# Altium PCB LimeSDR_Mini_1v2_Rounded.PcbDoc (part 3 of 5) (continued)
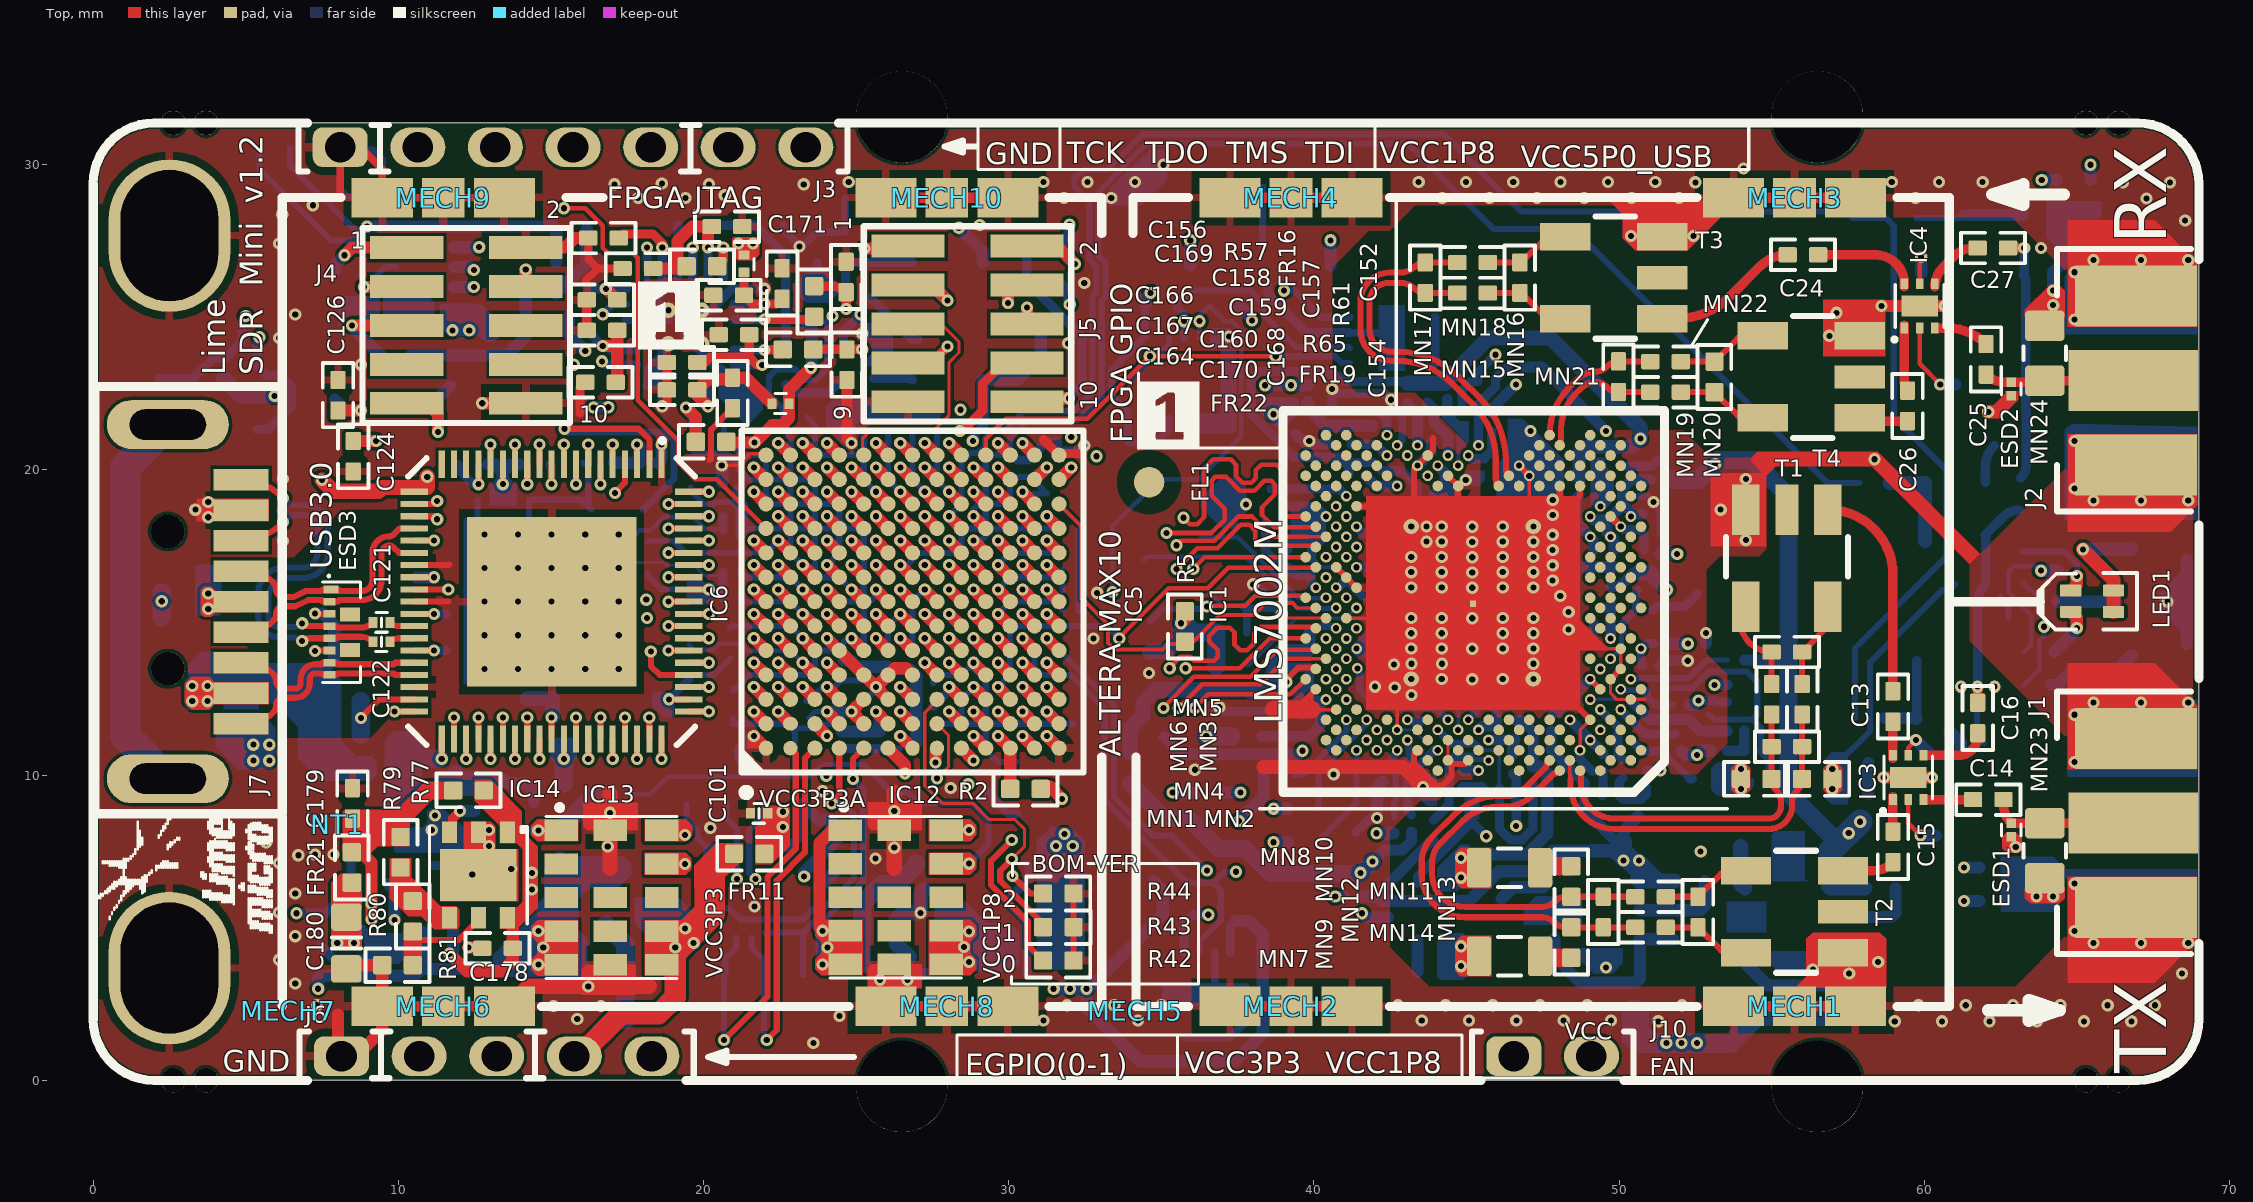
[diagram p0: Top view]
## Nets (pads, with @x,y where several pads share a name; then routed paths per layer and width w, separated by ;. In a path a pad name is that pad's centre, name@x,y a point inside that pad or via, vN(x,y) a via of type N, cw(c..) or ccw(c..) an arc to the next point about the centre after c; other vN are vias at no path point) (continued)
  Bottom w0.35: MECH11.1@9.475,2.425 MECH11.1@11.475,2.425 MECH11.1@13.225,2.425 ; MECH12.1@25.975,2.425 MECH12.1@27.975,2.425 MECH12.1@29.975,2.425 ; MECH14.1@25.975,28.925 MECH14.1@27.975,28.925 MECH14.1@29.975,28.925 ; v1(38.015,16.253) 38.282,15.985 C35.2@38.325,15.985 ; C45.2@39.399,21.173 39.731,20.841 40.501,20.841 ; v5(43.395,20.141) 43.845,20.59 C74.2@43.845,20.871 ; v1(44.191,14.151) 44.441,13.901 R11.2@44.971,14.431 ; v1@44.252,15.151 R11.2@44.971,14.431 ; C55.2@44.875,9.595 45.5,9.595 C42.2@45.52,9.575 ; 45.691,15.151 R11.2@44.971,14.431 ; 47.85,13.9 47.975,14.025 ; C48.2@51.331,13.578 51.503,13.75 v1(52.25,13.75)
  Bottom w0.4: 8.025,2.15 8.025,0.909 J6.1@8.139,0.795 8.62,0.795 9.475,1.65 MECH11.1@9.475,2.425 ; C183.1@12.5,9.825 13.5,9.825 C128.1@13.6,9.725 14.2,9.725 14.45,9.475 14.45,9.125 ; C165.1@15.175,25.775 16.175,26.775 R68.2@16.175,26.825 C161.1@16.175,27.875 ; C139.2@18.505,20.235 18.625,20.355 v1(18.625,20.835) ; v1(20.6,20.15) 20.615,20.135 20.615,19.585 ; C108.1@21.2,10.6 21.2,10.835 v1(21.65,11.285) ; 23.775,6.3 C174.2@24.475,7 ; v1(24.05,12.085) v1(24.85,12.085) v1@24.943,12.085 ; C98.2@24.6,13.755 24.826,13.755 25.026,13.555 26.025,13.555 C115.2@26.025,13.52 ; v1@25.65,12.792 v1(25.65,12.885) 26.243,13.478 26.75,13.478 26.97,13.258 26.97,11.075 ; 29.15,21.775 XO1.4@29.15,22.95 30.275,22.95 31.05,23.725 C87.1@31.05,24.573 ; v1(42.071,8.596) 42.071,9.611 C57.2@42.251,9.791 ; C7.2@43.4,3.55 C10.1@43.4,4.575 ; C70.1@43.925,12.78 44.191,13.046 v1(44.191,13.151) 44.486,12.856 C69.2@44.727,12.856 ; v1(44.191,15.151) v1@44.252,15.151 ; 45.691,15.151 v1(46.191,15.151) ; C44.2@46.555,12.4 46.555,12.93 ; 47.85,13.9 47.915,13.835 C79.1@47.915,12.6 ; 48.505,16.82 C77.1@49.15,16.82 C85.2@49.825,16.82 ; C81.2@52.85,14.325 v1(52.85,14.66) ; C3.2@58.165,9.4 C6.1@58.165,10.4 ; 60.825,11.45 61.2,11.075 C18.1@61.2,10.775 ; v1(67.975,15.685) 68.6,15.685 ; 68.6,14.3 68.6,15.685 ; 68.6,17.07 68.6,15.685
  Bottom w0.5: MECH12.1@25.975,2.425 25.975,3.275 C176.1@26.75,4.05 26.311,4.489 26.311,5.265 26.536,5.49 v1(27.111,5.49) 27.111,6.111 27.225,6.225
  Bottom w0.6: C182.1@16.8,5.105 17.439,4.466 C177.1@17.439,4.04 17.439,1.959
  other v1: 23.6,1.225 51.285,1.935 59.035,1.935 60.585,1.935 62.135,1.935 63.685,1.935 65.235,1.935 66.785,1.935 31.135,1.96 34.235,1.96 43.535,1.96 45.085,1.96 46.635,1.96 48.185,1.96 49.735,1.96 15.865,2.01 24.46,2.11 15.09,2.435 16.64,2.435 7.34,2.46 31.91,2.46 33.46,2.46 35.01,2.46 42.76,2.46 44.31,2.46 45.86,2.46 47.41,2.46 48.96,2.46 52.06,2.46 59.81,2.46 61.36,2.46 62.91,2.46 64.46,2.46 66.01,2.46 67.56,2.46 6.625,3.175 25.786,3.29 26.686,3.29 57.54,3.505 68.45,3.5 56.35,3.625 49.575,3.7 58.49,3.88 6.1,3.95 65.55,4.5 67.1,4.5 68.65,4.5 6.625,4.725 64.925,4.895 6.1,5.5 21.675,5.7 6.625,6.125 64.925,6.445 12.425,6.75 13.7,6.925 6.1,7.125 25.636,7.265 6.725,7.375 7.275,7.4 7.875,7.4 52.675,7.5 63,7.65 12.975,7.675 16.864,7.664 5.675,7.8 12.975,8.2 20.225,8.275 26.25,8.825 23.9,9.475 28.1,9.575 43.575,9.603 40.65,10.028 36.1,10.178 64.925,10.43 64.925,11.98 36.9,12.225 65.55,12.375 67.1,12.375 68.65,12.375 43.2,12.625 42.65,12.875 42,12.9 61.2,12.9 62.3,12.9 45.191,13.141 34.6,13.35 42.625,13.625 43.2,13.65 44.2,13.65 47.191,13.651 43.191,14.151 45.191,14.141 46.191,14.151 47.191,14.151 32.775,14.475 43.191,14.651 44.191,14.651 46.191,14.651 47.191,14.651 48.35,14.775 45.191,15.141 47.191,15.151 48.35,15.35 48.075,15.875 32.9,15.975 45.191,16.141 44.191,16.151 46.191,16.151 47.191,16.151 47.825,16.375 45.191,16.641 43.191,16.651 44.191,16.651 46.191,16.651 47.191,16.651 47.825,16.875 44.191,17.151 45.191,17.141 46.191,17.151 47.191,17.151 47.825,17.375 43.691,17.651 44.191,17.651 45.191,17.641 46.191,17.651 47.191,17.651 6.225,17.67 54.155,17.7 47.825,17.875 45.191,18.141 43.691,18.151 44.191,18.151 46.191,18.151 3.775,18.45 47.826,18.521 3.35,18.7 3.775,18.95 65.55,19 67.1,19 68.65,19 47.826,19.021 64.925,19.395 6.225,19.7 54.155,19.7 58.375,20.35 32.475,20.8 39.85,20.953 64.925,20.945 47.1,21.275 62.1,21.9 8.775,23.45 31.95,24.15 6.1,24.32 37.225,24.375 56.89,24.395 25.2,24.475 64.925,24.93 6.625,25.095 57.125,25.15 58.6,25.375 32.475,26.125 64.925,26.48 65.55,26.875 67.1,26.875 68.65,26.875 63.825,27.275 6.1,27.42 50.39,27.67 52.44,27.67 29.05,28.025 68.55,28.175 6.2,28.375 7.2,28.675 17.86,28.91 19.41,28.91 31.81,28.91 33.36,28.91 44.21,28.91 45.76,28.91 47.31,28.91 48.86,28.91 50.41,28.91 59.71,28.91 67.28,28.895 62.63,28.92 20.7,29 17.085,29.36 20.185,29.36 23.285,29.36 18.635,29.385 52.5,29.425 66.505,29.42 68.055,29.42 24.76,29.435 31.135,29.435 32.585,29.435 34.135,29.435 43.435,29.435 44.985,29.435 46.535,29.435 48.085,29.435 49.635,29.435 51.185,29.435 58.935,29.435 60.485,29.435 61.915,29.435 54.075,29.875 35.075,30
  other v4: 12.825,13.485 13.925,13.485 15.025,13.485 16.125,13.485 17.225,13.485 12.825,14.585 13.925,14.585 15.025,14.585 16.125,14.585 17.225,14.585 12.825,15.685 13.925,15.685 15.025,15.685 16.125,15.685 17.225,15.685 12.825,16.785 13.925,16.785 15.025,16.785 16.125,16.785 12.825,17.885 13.925,17.885 15.025,17.885 16.125,17.885 17.225,17.885
  other v5: 41.064,15.812
  other v6: 43.191,13.151 47.191,13.151 43.191,18.151 47.191,18.151 18.85,24.135 19.95,24.135
LM75_OS: IC5.H2 IC8.3 R58.1 | length 28.1
  Top w0.1: v1@27.624,9.9 v1(27.65,9.9) 28.035,10.284 28.035,11.3 IC5.H2@27.65,11.685
  L5 w0.1: 27.6,14.34 27.6,13.83 27.6,13.475 27.4,13.275 27.4,11.25 28,10.65 28,10.25 v1(27.65,9.9) ; 27.6,14.34 27.6,14.63 27.6,14.65 27.825,14.875 28.2,14.875 28.45,15.125 28.45,15.55 28.575,15.675 28.957,15.675 29.262,15.98 29.262,16.237 29.475,16.45 32.95,16.45 v1(33.4,16)
  Bottom w0.15: v1(33.4,16) 33.4,18.15 34.95,19.7 36.225,19.7 37.625,21.1 37.625,24.575 37.325,24.875 37.075,24.875 R58.1@36.575,25.375 36.25,25.05 IC8.3@36.25,24.325
  other v1: 36.25,24.875
LMK_CLK: IC5.H6 IC7.13 | length 25.6
  Top w0.4: v2(27.25,15.285) IC5.H6@27.65,14.885
  L6 w0.1: v1@16.675,23.535 20.827,23.535 21.617,24.325 22.217,24.325 22.842,23.7 23.742,23.7 24.15,23.292 24.15,22.842 24.917,22.075 25.967,22.075 26.317,21.725 27.508,21.725 28.108,22.325 29.35,22.325 30.075,21.6 30.075,19.125 29.785,18.835 29.505,18.835 29.225,18.555 29.225,16.725 29.025,16.525 28.6,16.525 28.45,16.375 28.45,15.9 28.235,15.685 27.65,15.685 v2(27.25,15.285)
  Bottom w0.3: v1(16.675,23.56) 16.8,23.435 IC7.13@17.475,23.435 IC7.13@17.8,23.435
LMS_CORE_LDO_EN: IC1.U33 IC5.N11 R5.1 | length 12.8
  Top w0.11: 39.451,15.479 IC1.U33@40.065,15.479
  Top w0.13: IC5.N11@31.65,18.885 32.393,18.142 32.393,15.807 33.26,14.94 33.26,14.324 33.474,14.11 35.035,14.11 35.225,14.3 35.975,14.3 36.925,15.25 38.03,15.25 38.416,15.636 39.294,15.636 39.451,15.479
LMS_DIQ1_D0: IC1.AG31 IC5.M12 | length 16.4
  Top w0.4: IC5.M12@30.85,19.685 v2(31.25,20.085)
  L6 w0.1: v2(31.25,20.085) 31.035,20.3 30.575,20.3 30.45,20.175 30.45,19.825 31.15,19.125 32.692,19.125 33.492,19.925 34.075,19.925 34.227,19.925 cw(c34.227,19.621) 34.531,19.621 34.531,19.454 ccw(c34.835,19.454) 34.835,19.15 ccw(c34.835,19.454) 35.139,19.454 35.139,19.621 cw(c35.443,19.621) 35.443,19.925 cw(c35.443,19.621) 35.747,19.621 35.747,19.4 ccw(c36.051,19.4) 36.051,19.096 ccw(c36.051,19.4) 36.355,19.4 36.355,19.621 cw(c36.659,19.621) 36.659,19.925 cw(c36.659,19.621) 36.963,19.621 36.963,19.515 ccw(c37.267,19.515) 37.267,19.211 ccw(c37.267,19.515) 37.571,19.515 37.571,19.621 cw(c37.875,19.621) 37.875,19.925 38.075,19.925 38.75,19.25 39.283,19.25 39.858,18.675 40.085,18.675 40.275,18.865 40.675,18.865 v3(40.731,18.809)
LMS_DIQ1_D1: IC1.AF30 IC5.N12 | length 14.1
  Top w0.4: IC5.N12@31.65,19.685 v2(32.05,20.085)
  L6 w0.1: v2(32.05,20.085) 31.81,20.085 31.55,19.825 31.55,19.525 31.75,19.325 32.609,19.325 33.584,20.3 34.854,20.3 35.013,20.141 35.541,20.141 35.7,20.3 36.075,20.3 36.225,20.15 36.7,20.15 36.85,20.3 37.2,20.3 37.359,20.141 38.141,20.141 38.833,19.45 39.45,19.45 39.835,19.065 40.24,19.065 40.35,19.175 40.35,19.317 40.5,19.467 41.199,19.467 41.522,19.144 41.522,18.597 41.401,18.476 v3(41.064,18.476)
LMS_DIQ1_D2: IC1.AF34 IC5.N10 | length 14.2
  Top w0.15: v1(35.725,18.435) 35.935,18.225 36.175,18.225 36.4,18.45 36.4,20.05 36.7,20.35 37.275,20.35 37.45,20.175 37.45,19.8 37.675,19.575 37.95,19.575 38.1,19.725 38.1,20 38.275,20.175 38.775,20.175 38.975,19.975 38.975,18.601 39.1,18.476 IC1.AF34@39.732,18.476
  Top w0.4: v2(31.25,18.485) IC5.N10@31.65,18.085
  L6 w0.1: v2(31.25,18.485) 31.49,18.725 31.925,18.725 32.165,18.485 32.475,18.485 32.715,18.725 33.075,18.725 33.315,18.485 33.65,18.485 33.89,18.725 34.2,18.725 34.44,18.485 34.9,18.485 35.14,18.725 35.435,18.725 v1(35.725,18.435)
LMS_DIQ1_D3: IC1.AE31 IC5.L10 | length 14.7
  Top w0.4: v2(29.65,18.485) IC5.L10@30.05,18.085
  L6 w0.1: v2(29.65,18.485) 29.885,18.485 30.325,18.925 32.775,18.925 33.55,19.7 33.825,19.7 34.075,19.45 34.075,19.1 34.225,18.95 35.825,18.95 36.325,18.45 36.6,18.45 36.725,18.575 36.725,18.875 36.875,19.025 37.15,19.025 37.275,18.9 37.275,18.65 37.475,18.45 38.125,18.45 38.325,18.65 38.325,18.875 38.5,19.05 39.2,19.05 39.425,18.825 39.425,18.343 39.625,18.143 v3(40.731,18.143)
LMS_DIQ1_D4: IC1.AD30 IC5.M10 | length 14.5
  Top w0.4: v2(30.45,18.485) IC5.M10@30.85,18.085
  L6 w0.1: v2(30.45,18.485) 30.45,18.225 30.575,18.1 31.5,18.1 31.685,18.285 32.558,18.285 32.723,18.45 33.067,18.45 33.232,18.285 33.733,18.285 33.873,18.425 34.217,18.425 34.357,18.285 35.34,18.285 35.815,17.81 36.01,17.81 36.4,18.2 36.625,18.2 37.015,17.81 37.235,17.81 37.675,18.25 37.8,18.25 38.24,17.81 38.485,17.81 38.625,17.95 38.625,18.7 38.75,18.825 39.075,18.825 39.225,18.675 39.225,18 39.415,17.81 39.625,17.81 39.758,17.943 40.217,17.943 40.35,17.81 v3(41.064,17.81)
LMS_DIQ1_D5: IC1.AC29 IC5.M13 | length 14.8
  Top w0.4: v2(30.45,20.885) IC5.M13@30.85,20.485
  L6 w0.1: v2(30.45,20.885) 30.835,20.5 32.175,20.5 32.625,20.05 33.051,20.05 33.526,20.525 37.258,20.525 37.441,20.341 38.224,20.341 38.899,19.667 41.281,19.667 41.722,19.226 41.722,17.802 v3(41.397,17.477)
LMS_DIQ1_D6: IC1.AE33 IC5.N9 | length 14.2
  Top w0.15: v1(35.175,17.935) 36.635,17.935 37.075,18.375 37.075,18.725 36.65,19.15 36.65,19.65 36.775,19.775 37.121,19.775 37.571,19.325 38.054,19.325 38.379,19.65 38.6,19.65 38.725,19.525 38.725,19.2 38.3,18.775 38.3,18.525 38.699,18.126 40.048,18.126 IC1.AE33@40.065,18.143
  Top w0.4: v2(31.25,17.685) IC5.N9@31.65,17.285
  L6 w0.1: v2(31.25,17.685) 31.3,17.735 31.66,17.735 32.01,18.085 32.473,18.085 32.933,17.625 33.242,17.625 33.702,18.085 35.025,18.085 v1(35.175,17.935)
LMS_DIQ1_D7: IC1.AD32 IC5.N8 | length 14.5
  Top w0.11: 39.79,17.81 IC1.AD32@40.398,17.81
  Top w0.15: v1(35.5,17.535) 35.65,17.685 36.739,17.685 37.529,18.475 37.975,18.475 38.64,17.81 39.79,17.81
  Top w0.4: v2(31.25,16.885) IC5.N8@31.65,16.485
  L6 w0.1: v2(31.25,16.885) 30.967,16.885 30.607,16.525 30.225,16.525 30.075,16.675 30.075,17.175 30.225,17.325 31.425,17.325 31.635,17.535 31.885,17.535 32.225,17.875 32.4,17.875 32.965,17.31 33.21,17.31 33.775,17.875 34.45,17.875 35.015,17.31 35.275,17.31 v1(35.5,17.535)
LMS_DIQ1_D8: IC1.AC31 IC5.M7 | length 14
  Top w0.4: v2(30.45,16.085) IC5.M7@30.85,15.685
  L6 w0.1: v2(30.45,16.085) 30.8,16.435 31.735,16.435 31.9,16.6 31.9,17.225 32.25,17.575 32.417,17.575 32.882,17.11 33.293,17.11 33.858,17.675 34.367,17.675 34.475,17.567 34.475,17.3 34.665,17.11 36.035,17.11 36.2,17.275 36.2,17.675 36.45,17.925 36.602,17.925 37.05,17.477 37.185,17.477 37.579,17.871 37.781,17.871 38.175,17.477 38.502,17.477 38.825,17.8 39.142,17.8 39.465,17.477 v3(40.731,17.477)
LMS_DIQ1_D9: IC1.AC33 IC5.N7 | length 14
  Top w0.15: v1(35.5,16.753) 36.182,17.435 36.842,17.435 37.607,18.2 37.896,18.2 38.086,18.011 38.086,17.689 38.256,17.519 40.023,17.519 IC1.AC33@40.065,17.477
  Top w0.4: v2(31.25,16.085) IC5.N7@31.65,15.685
  L6 w0.1: v2(31.25,16.085) 31.585,15.75 32.3,15.75 32.425,15.875 32.425,16.2 32.1,16.525 32.1,17.075 32.23,17.205 32.505,17.205 32.799,16.91 33.44,16.91 33.75,16.6 33.75,16.125 33.975,15.9 34.142,15.9 34.375,16.133 34.375,16.75 34.535,16.91 35.343,16.91 v1(35.5,16.753)
LMS_DIQ1_D10: IC1.AB30 IC5.M9 | length 14.7
  Top w0.4: v2(30.45,17.685) IC5.M9@30.85,17.285
  L4 w0.1: v2(30.45,17.685) 30.815,18.05 32.433,18.05 32.675,17.808 32.675,17.1 32.8,16.975 33.4,16.975 33.55,17.125 33.55,18.008 33.867,18.325 35.325,18.325 36.347,17.303 36.653,17.303 37.4,18.05 37.983,18.05 39.23,16.803 40.723,16.803 v3(41.064,17.144)
LMS_DIQ1_D11: IC1.AB32 IC5.N6 | length 14.4
  Top w0.4: v2(31.25,15.285) IC5.N6@31.65,14.885
  L6 w0.1: v2(31.25,15.285) 31.435,15.1 31.675,15.1 31.875,15.3 32.125,15.3 32.325,15.1 32.425,15.1 32.675,15.35 32.95,15.35 33.2,15.1 33.5,15.1 33.75,15.35 34.025,15.35 34.275,15.1 34.467,15.1 34.575,15.208 34.575,15.675 34.675,15.775 35.733,15.775 36.383,15.125 36.95,15.125 37.175,15.35 37.175,15.8 37.025,15.95 36.65,15.95 36.475,16.125 36.475,17.15 36.6,17.275 40.267,17.275 v3(40.398,17.144)
LMS_DIQ2_D0: IC1.H30 IC5.M2 | length 15.2
  Top w0.4: v2(30.45,12.085) IC5.M2@30.85,11.685
  L4 w0.1: v2(30.45,12.085) 30.89,12.525 31.542,12.525 31.817,12.8 32.175,12.8 33.125,11.85 33.35,11.85 33.525,12.025 33.525,13.1 33.675,13.25 33.922,13.25 34.575,12.597 34.575,12.05 34.775,11.85 38.175,11.85 38.325,12 38.325,12.403 38.425,12.503 39.472,12.503 39.613,12.363 39.613,11.987 39.75,11.85 40.226,11.85 40.858,12.482 v3(41.064,12.482)
LMS_DIQ2_D1: IC1.J31 IC5.M4 | length 15.1
  Top w0.4: v2(30.45,13.685) IC5.M4@30.85,13.285
  L4 w0.1: v2(30.45,13.685) 30.45,13.45 30.625,13.275 31.45,13.275 31.975,13.8 32.275,13.8 32.625,13.45 32.625,12.633 32.933,12.325 33.125,12.325 33.3,12.5 33.3,13.325 33.425,13.45 34.005,13.45 34.752,12.703 36.55,12.703 36.65,12.703 ccw(c36.65,12.907) 36.854,12.907 cw(c37.158,12.907) 37.158,13.211 cw(c37.158,12.907) 37.462,12.907 37.462,12.703 37.462,12.499 ccw(c37.766,12.499) 37.766,12.195 ccw(c37.766,12.499) 38.07,12.499 cw(c38.274,12.499) 38.274,12.703 38.65,12.703 39.328,12.703 39.44,12.815 v3(40.731,12.815)
LMS_DIQ2_D2: IC1.K30 IC5.M1 | length 15.6
  Top w0.4: v2(30.45,11.285) IC5.M1@30.85,10.885
  L4 w0.1: v2(30.45,11.285) 30.8,11.635 31.51,11.635 31.65,11.775 31.65,12.35 31.8,12.5 32.192,12.5 33.057,11.635 33.418,11.635 33.725,11.942 33.725,12.45 33.975,12.7 34.175,12.7 34.375,12.5 34.375,11.967 34.707,11.635 38.36,11.635 38.584,11.859 39.259,11.859 39.482,11.635 40.335,11.635 40.841,12.141 41.183,12.141 41.389,12.347 41.389,12.823 v3(41.064,13.148)
LMS_DIQ2_D3: IC1.K32 IC5.J1 | length 14.6
  Top w0.4: IC5.J1@28.45,10.885 v2(28.85,10.485)
  L6 w0.1: v2(28.85,10.485) 28.85,10.175 29.275,9.75 29.8,9.75 29.95,9.9 29.95,10.375 30.11,10.535 38.31,10.535 38.95,11.175 38.95,11.7 v3(40.398,13.148)
LMS_DIQ2_D4: IC1.L31 IC5.N2 | length 14.4
  Top w0.4: v2(31.25,12.085) IC5.N2@31.65,11.685
  L6 w0.1: v2(31.25,12.085) 31.26,12.075 34.447,12.075 34.925,12.553 36.278,12.553 37.339,13.614 38.561,13.614 38.75,13.425 38.75,13.125 38.575,12.95 37.775,12.95 37.625,12.8 37.625,12.425 37.825,12.225 38.775,12.225 40.031,13.481 v3(40.731,13.481)
LMS_DIQ2_D5: IC1.K34 IC5.K1 | length 14.9
  Top w0.15: v1(36.1,12.203) 36.544,12.646 39.23,12.646 IC1.K34@39.732,13.148
  Top w0.4: v2(28.85,11.285) IC5.K1@29.25,10.885
  L6 w0.1: v2(28.85,11.285) 28.85,11.075 29.19,10.735 35.935,10.735 36.1,10.9 36.1,11.05 35.975,11.175 35.325,11.175 35.165,11.335 35.165,11.51 35.383,11.728 35.625,11.728 v1(36.1,12.203)
LMS_DIQ2_D6: IC1.M30 IC5.L2 | length 14.5
  Top w0.4: v2(29.65,12.085) IC5.L2@30.05,11.685
  L6 w0.1: v2(29.65,12.085) 29.91,12.085 30.325,12.5 31.375,12.5 31.6,12.275 34.35,12.275 34.85,12.775 36.2,12.775 36.375,12.95 36.375,13.717 36.858,14.2 37.017,14.2 37.403,13.814 37.822,13.814 38.129,14.121 38.337,14.121 39.033,13.425 39.425,13.425 39.575,13.575 39.575,13.775 39.75,13.95 40.017,13.95 40.153,13.814 v3(41.064,13.814)
LMS_DIQ2_D7: IC1.M32 IC5.J2 | length 14.7
  Top w0.11: 39.894,13.814 IC1.M32@40.398,13.814
  Top w0.15: v1(35.575,12.203) 35.725,12.353 35.725,12.358 36.342,12.975 38.254,12.975 39.093,13.814 39.894,13.814
  Top w0.4: v2(28.05,12.085) IC5.J2@28.45,11.685
  L6 w0.1: v2(28.05,12.085) 28.46,11.675 28.955,11.675 29.3,11.33 29.3,11.14 29.505,10.935 34.307,10.935 v1(35.575,12.203)
LMS_DIQ2_D8: IC1.N31 IC5.N4 | length 14.5
  Top w0.4: v2(31.25,13.685) IC5.N4@31.65,13.285
  L6 w0.1: v2(31.25,13.685) 31.46,13.475 31.75,13.475 31.875,13.6 31.875,14.1 31.975,14.2 32.192,14.2 32.367,14.025 32.367,13.683 32.575,13.475 33.692,13.475 34.225,14.008 34.225,14.325 34.4,14.5 35.298,14.5 35.986,13.811 36.186,13.811 36.85,14.475 37.025,14.475 37.486,14.014 37.739,14.014 38.2,14.475 38.525,14.475 38.75,14.25 38.75,13.991 39.041,13.7 39.17,13.7 39.475,14.005 39.475,14.517 39.658,14.7 39.895,14.7 40.023,14.573 40.023,14.227 40.236,14.014 40.598,14.014 v3(40.731,14.147)
LMS_DIQ2_D9: IC1.N33 IC5.K2 | length 14.6
  Top w0.15: v1@35.057,12.215 36.067,13.225 37.925,13.225 38.805,14.105 40.065,14.105 IC1.N33@40.065,14.147
  Top w0.4: v2(28.85,12.085) IC5.K2@29.25,11.685
  L6 w0.1: v2(28.85,12.085) 29.285,11.65 32.075,11.65 32.575,11.15 32.925,11.15 33.15,11.375 33.15,11.7 33.325,11.875 33.65,11.875 33.85,11.675 33.85,11.31 34.025,11.135 34.225,11.135 35.07,11.98 v1(35.07,12.203)
LMS_DIQ2_D10: IC1.P30 IC5.L5 | length 14.4
  Top w0.4: v2(29.65,14.485) IC5.L5@30.05,14.085
  L6 w0.1: v2(29.65,14.485) 29.693,14.485 30.108,14.9 34.55,14.9 35.05,15.4 35.825,15.4 36.304,14.921 37.246,14.921 37.45,15.125 37.45,15.45 37.575,15.575 37.925,15.575 38.05,15.45 38.05,15.15 38.279,14.921 38.686,14.921 38.879,14.729 39.121,14.729 39.742,15.35 40.238,15.35 40.45,15.138 40.866,15.138 41.064,14.94 v3(41.064,14.48)
LMS_DIQ2_D11: IC1.P32 IC5.L4 | length 14.4
  Top w0.4: v2(29.65,13.685) IC5.L4@30.05,13.285
  L6 w0.1: v2(29.65,13.685) 30.04,14.075 31.425,14.075 32.05,14.7 32.25,14.7 32.4,14.55 32.4,14.275 32.567,14.108 32.567,13.858 32.75,13.675 33.609,13.675 34.025,14.091 34.025,14.525 34.2,14.7 35.4,14.7 35.95,14.15 36.15,14.15 36.7,14.7 37.083,14.7 37.508,14.275 37.717,14.275 38.138,14.696 38.629,14.696 38.896,14.429 39.104,14.429 39.575,14.9 39.978,14.9 v3(40.398,14.48)
LMS_ENABLE_IQSEL1: IC1.Y32 IC5.M8 | length 14.9
  Top w0.4: v2(30.45,16.885) IC5.M8@30.85,16.485
  L4 w0.1: v2(30.45,16.885) 30.45,17.2 30.575,17.325 31.475,17.325 31.625,17.475 31.625,17.7 31.775,17.85 32.35,17.85 32.475,17.725 32.475,17 32.7,16.775 33.575,16.775 33.75,16.95 33.75,17.925 33.95,18.125 34.425,18.125 34.7,17.85 34.7,17.275 34.872,17.103 35.905,17.103 36.736,17.103 37.483,17.85 37.9,17.85 39.272,16.478 v3(40.398,16.478)
LMS_ENABLE_IQSEL2: IC1.R33 IC5.N3 | length 14.6
  Top w0.15: v1@35.275,13.525 35.628,13.878 35.955,13.878 36.08,13.753 36.728,13.753 36.85,13.875 36.85,14.1 36.575,14.375 36.575,14.561 36.839,14.825 37.25,14.825 37.4,14.675 37.4,14.275 37.538,14.138 37.586,14.089 37.811,14.089 38.05,14.329 38.05,14.65 38.255,14.855 40.023,14.855 IC1.R33@40.065,14.813
  Top w0.4: v2(31.25,12.885) IC5.N3@31.65,12.485
  L6 w0.1: v2(31.25,12.885) 31.44,13.075 31.725,13.075 31.912,12.888 31.912,12.588 32.025,12.475 32.475,12.475 32.575,12.575 32.575,12.925 32.725,13.075 33.05,13.075 33.225,12.9 33.225,12.6 33.35,12.475 33.7,12.475 33.787,12.562 33.787,12.888 33.975,13.075 34.225,13.075 34.459,12.841 34.614,12.841 34.747,12.975 35.375,12.975 35.516,13.116 35.516,13.261 v1(35.275,13.503)
LMS_FCLK1: IC1.AA33 IC5.L3 | length 13.8
  Top w0.15: v1(33.625,14.475) 33.625,14.512 35.238,16.125 36.525,16.125 37.194,16.794 40.065,16.794 IC1.AA33@40.065,16.811
  Top w0.4: v2(29.65,12.885) IC5.L3@30.05,12.485
  Bottom w0.2: v2(29.65,12.885) 30.05,13.285 30.05,14.651 30.284,14.885 30.375,14.885 33.215,14.885 v1(33.625,14.475)
LMS_FCLK2: IC1.R29 IC5.M3 | length 15.3
  Top w0.4: v2(30.45,12.885) IC5.M3@30.85,12.485
  L4 w0.1: v2(30.45,12.885) 30.025,13.31 30.025,13.825 30.275,14.075 31.725,14.075 31.95,14.3 32.2,14.3 32.75,13.75 33.9,13.75 34.15,14 36.025,14 36.5,13.525 36.725,13.525 37.35,14.15 37.775,14.15 38.375,13.55 38.75,13.55 39.675,14.475 39.675,14.875 39.938,15.138 41.072,15.138 v3(41.397,14.813)
LMS_I2C_SCL: IC1.C27 IC2.6 IC5.M5 R13.2 | length 22.1
  Top w0.4: v2(30.45,14.485) IC5.M5@30.85,14.085
  L4 w0.1: v1(37.447,6.835) 38.202,6.835 42.063,10.696 v3(42.063,10.817)
  Bottom w0.2: v2(30.45,14.485) 30.85,14.085 30.85,13.519 31.084,13.285 32.04,13.285 33.15,12.175 33.15,9.175 35.85,6.475 36.7,6.475 ; IC2.6@36.25,4.2 36.25,4.533 36.95,5.233 36.95,6.225 36.7,6.475 ; v1@37.475,6.825 37.05,6.825 36.7,6.475
LMS_I2C_SDA: IC1.D26 IC2.5 IC5.N5 R12.2 | length 22.5
  Top w0.4: v2(31.25,14.485) IC5.N5@31.65,14.085
  L4 w0.1: v1(36.5,6.875) 36.541,6.834 v1(36.541,5.425) 37.131,5.425 42.396,10.69 v3(42.396,11.15)
  Bottom w0.2: v2(31.25,14.485) 31.264,14.485 33.45,12.299 33.45,9.299 34.724,8.025 35.35,8.025 v1(36.5,6.875)
  Bottom w0.3: IC2.5@35.75,4.2 35.75,5.125 R12.2@36.05,5.425 v1(36.541,5.425)
LMS_MCLK1: IC1.AB34 IC5.G5 | length 15.4
  Top w0.15: v1@36.025,16.753 36.416,17.144 IC1.AB34@39.732,17.144
  Top w0.4: v2(26.45,14.485) IC5.G5@26.85,14.085
  L6 w0.1: v2(26.45,14.485) 26.9,14.935 29.86,14.935 30.075,15.15 30.075,15.56 30.25,15.735 31.317,15.735 31.502,15.55 34.075,15.55 34.5,15.975 35.272,15.975 v1(36.05,16.753)
LMS_MCLK2: IC1.P34 IC5.H4 | length 14.6
  Top w0.15: v1(35.8,13.503) 37.578,13.503 38.555,14.48 IC1.P34@39.732,14.48
  Top w0.4: v2(27.25,13.685) IC5.H4@27.65,13.285
  L6 w0.1: v2(27.25,13.685) 27.66,13.275 33.775,13.275 34.425,13.925 34.425,14.125 34.575,14.275 35.24,14.275 35.8,13.715 v1(35.8,13.503)
LMS_RESET: IC1.E27 IC5.L1 R2.1 | length 14.9
  Top w0.4: v2(29.65,11.285) IC5.L1@30.05,10.885 R2.1@30.05,9.65
  L4 w0.1: v2(29.65,11.285) 29.65,11.123 30.123,10.65 30.65,10.65 30.925,10.925 36.9,10.925 37.325,11.35 41.425,11.35 41.55,11.475 42.055,11.475 v3(42.063,11.483)
LMS_RXEN: IC1.V34 IC5.M11 R4.2 | length 16.1
  Top w0.15: v1@36.5,15.553 37.753,15.553 38.076,15.876 39.732,15.876 IC1.V34@39.732,15.812
  Top w0.4: v2(30.45,19.285) IC5.M11@30.85,18.885
  L4 w0.1: v2(30.45,19.285) 30.8,18.935 30.8,18.34 30.595,18.135 30.405,18.135 30.075,17.805 30.075,16.765 30.365,16.475 31.358,16.475 32.305,15.528 v1(36.5,15.528)
  Bottom w0.2: R4.2@34.625,15.025 35.053,15.453 36.425,15.453 v1(36.5,15.528)
LMS_TXEN: IC1.U29 IC5.K6 R3.2 | length 18.2
  Top w0.4: v2(28.85,15.285) IC5.K6@29.25,14.885
  L5 w0.1: v2(28.85,15.285) 29.2,15.635 31.84,15.635 32.05,15.425 35.975,15.425 36.479,14.921 40.346,14.921 40.563,15.138 41.056,15.138 v3(41.397,15.479)
  Bottom w0.11: R3.2@37.8,13.575 37.85,13.575 39.418,15.143 41.061,15.143 v3(41.397,15.479)
LMS_TXNRX1: IC1.V32 IC5.J8 R1.1 | length 19.1
  Top w0.4: v2(28.05,16.885) IC5.J8@28.45,16.485
  L4 w0.1: v2(28.05,16.885) 28.45,16.485 28.45,15.95 28.75,15.65 31.55,15.65 31.872,15.328 36.197,15.328 36.347,15.178 38.228,15.178 38.862,15.812 v3(40.398,15.812)
  Bottom w0.15: R1.1@36.3,17.825 36.325,17.8 37.504,17.8 39.509,15.795 40.381,15.795 v3(40.398,15.812)
LMS_TXNRX2: IC1.U31 IC5.H5 R10.1 | length 21.7
  Top w0.4: v2(27.25,14.485) IC5.H5@27.65,14.085
  L4 w0.1: v2(27.25,14.485) 27.533,14.485 27.883,14.835 35.14,14.835 35.375,14.6 38.8,14.6 39.679,15.479 v3(40.731,15.479)
  Bottom w0.15: R10.1@34.425,17.05 34.535,17.16 37.79,17.16 39.488,15.462 40.714,15.462 v3(40.731,15.479)
NetC1_1: C1.1 IC1.C29 R6.1 | length 3.4
  Bottom w0.2: R6.1@40.251,7.871 40.251,7.946 41.397,9.092 v3(41.397,10.817)
NetC11_2: C11.2 C12.1 MN23.2 R14.2 R15.2
  other v1: 63.675,6.025 64.225,6.025
NetC13_1: C13.1 IC3.6 | length 1.2
  Top w0.309: IC3.6@58.975,10.55 C13.1@58.975,11.75
NetC14_1: C14.1 IC3.3 | length 1.6
  Top w0.309: IC3.3@60.025,9.2 C14.1@61.6,9.2
NetC15_1: C15.1 IC3.1 | length 1.2
  Top w0.309: C15.1@58.975,8.15 IC3.1@58.975,9.3
NetC16_1: C16.1 IC3.4 | length 2.1
  Top w0.309: IC3.4@60.025,10.65 61.125,10.65 ccw(c61.125,11.275) C16.1@61.75,11.275
NetC16_2: C16.2 R18.1 R19.1 R23.2 VT1.1 VT3.2 | length 7
  Top w0.309: C16.2@61.75,12.375 v1(61.75,12.9)
  Bottom w0.309: v1(61.75,12.9) 61.75,15.629 cw(c62.646,15.629) R19.1@62.012,16.262 62.012,17.845 ccw(c61.97,17.845) VT1.1@62,17.875 62.6,18.475 cw(c63.112,17.963) R18.1@63.112,18.687
NetC21_2: C21.2 C22.1 MN24.2 R20.2 R21.2 | length 3.1
  Bottom w0.4: C22.1@64.225,24.55 64.225,26.487 64.7,26.962 C21.2@64.7,27.45
  other v1: 64.225,25.4 64.225,25.875
NetC24_1: C24.1 IC4.6 | length 3.5
  Top w0.309: C24.1@56.525,27.05 58.45,27.05 ; 58.4,27.05 cw(c58.4,26.1) IC4.6@59.35,26.1 IC4.6@59.35,26
NetC25_1: C25.1 IC4.3 | length 1.7
  Top w0.309: IC4.3@60.425,24.65 60.758,24.65 cw(c60.758,22.858) C25.1@62.025,24.125
NetC26_1: C26.1 IC4.1 | length 2.2
  Top w0.309: IC4.1@59.35,24.75 IC4.1@59.35,24.65 59.35,22.841 ccw(c59.691,22.841) C26.1@59.45,22.6
NetC27_1: C27.1 IC4.4 | length 2.1
  Top w0.309: IC4.4@60.35,26.1 60.35,26 cw(c61.255,26) 60.615,26.64 60.975,27 cw(c61.639,26.336) 61.639,27.275 C27.1@61.7,27.275